# Altium PCB AAS_module_rev1_2.PcbDoc (part 2 of 2)
Units mm, origin at the board's own origin, x right, y up, seen from the top; angles counter-clockwise.
Board outline 73 x 73 mm, 2 copper layers (Component Side, Bottom Layer), stack 0.971 mm thick; 126 components, 108 nets, 483 pads, 376 vias.
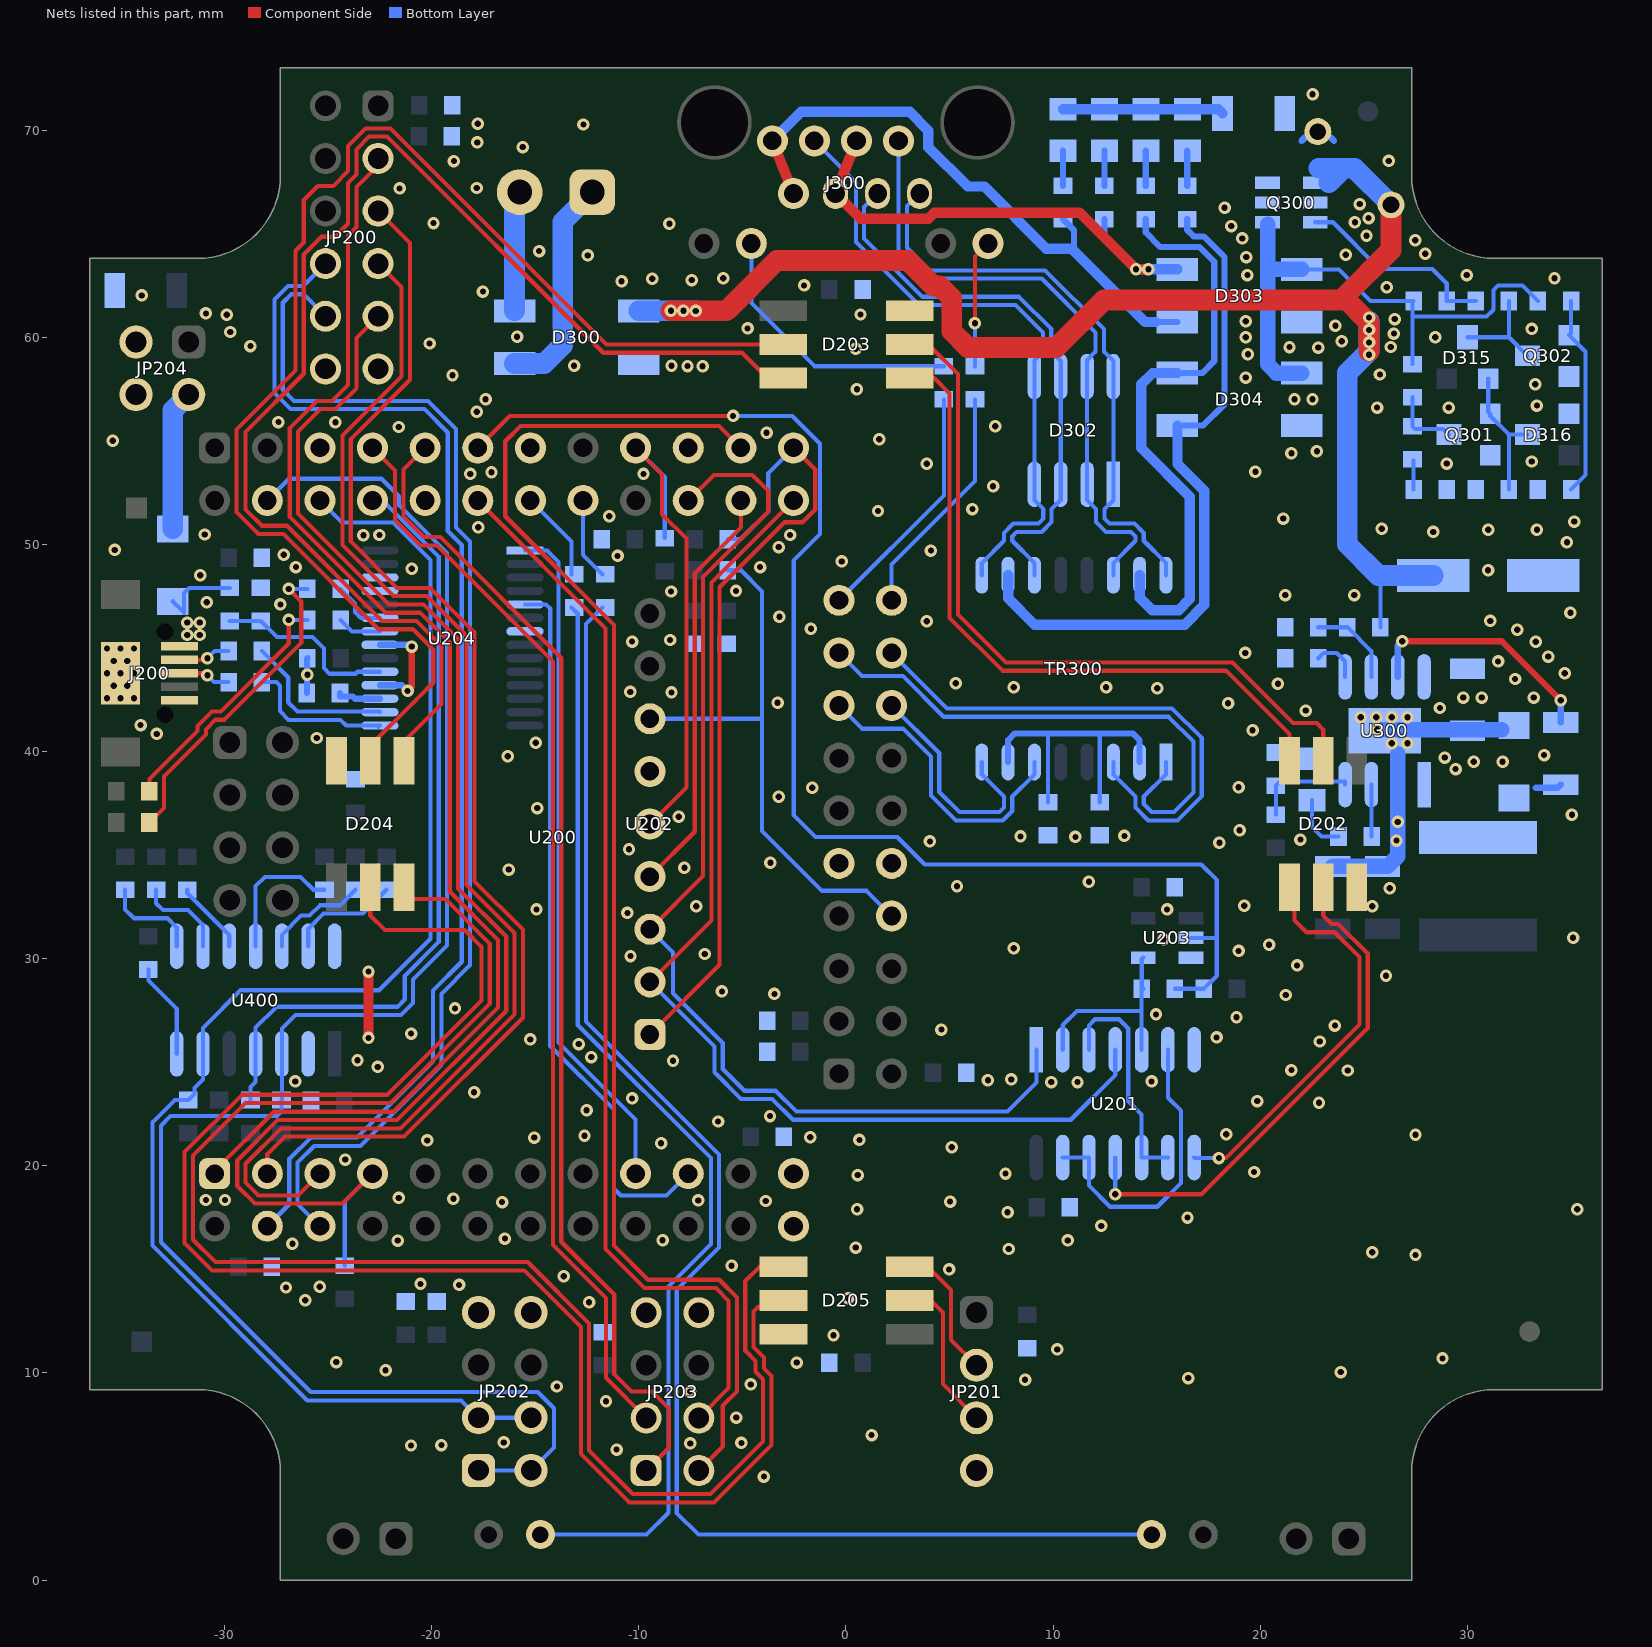
[diagram p2: the nets of this part, all layers, seen from the top]

## Via types
v1: diameter 0.6, hole 0.3, Component Side to Bottom Layer, tented both sides, 376 vias

## Nets (pads, with @x,y where several pads share a name; then routed paths per layer and width w, separated by ;. In a path a pad name is that pad's centre, name@x,y a point inside that pad or via, vN(x,y) a via of type N, cw(c..) or ccw(c..) an arc to the next point about the centre after c; other vN are vias at no path point) (continued)
GND: C200.2 C201.2 C202.2 C203.2 C204.2 C205.2 C206.2 C207.2 C208.2 C210.2 C211.2 C212.2 C213.2 C214.2 C216.1 C217.1 C300.2 C305.2 C307.2 C308.2 C311.2 C312.2 C313.2 C314.1 C315.2 C316.2 C317.2 C318.2 C319.2 C320.2 C322.1 C323.1 C400.2 D202.3 D203.3 D204.3 D205.3 D300.2 D303.2 D304.2 D306.A D316.1 J200.5 J200.SH@-35.025,43.775 JP200.11 JP200.12 JP201.4 JP202.7 JP202.8 JP203.7 JP203.8 JP204.2 JP204.4 Q301.2 Q302.2 R212.2 R306.1 R307.1 R308.1 R317.1 R318.1 R319.1 U200.6 U200.9 U200.14 U200.20 U200.47 U200.48 U200.59 U200.60 U201.7 U202.6 U203.3 U204.7 U204.18 U204.21 U204.25 U204.26 U300.0 U300.2 U400.2 U400.14 | length 26.6
  Component Side w0.3: D204.3@-24.59,38.65 D204.3@-24.59,38.887 ; v1(-21.161,42.925) -20.966,43.12 v1(-20.966,45.066)
  Component Side w0.5: v1(-23.05,26.175) v1(-23.05,29.375)
  Bottom Layer w0.3: C217.1@-26.025,42.825 -26.025,44.475 C216.1@-26,44.5 ; U204.18@-22.5,43.2 -21.436,43.2 v1(-21.161,42.925) ; U204.21@-22.5,45.15 -21.05,45.15 v1(-20.966,45.066) ; 21.989,69.471 22.443,69.925 C300.2@22.775,69.925 23.107,69.925 23.561,69.471
  Bottom Layer w0.75: C312.2@23.5,34.45 C313.2@25.9,34.45 26.144,34.45 26.635,34.941 U300.2@26.635,38.4 U300.0@26.635,39.9 ; v1(25.65,41.05) D306.A@31.65,41.05
  other v1: -3.963,5 -11.075,6.3 -21,6.5 -19.531,6.517 -7.516,6.6 -5.05,6.625 -16.525,6.65 1.235,7 -5.3,7.843 -11.585,8.632 -7.525,9.1 -13.953,9.348 -4.601,9.447 8.647,9.675 16.525,9.75 23.886,10.044 -22.226,10.131 -2.375,10.5 -24.609,10.525 28.795,10.7 10.2,11.136 -0.602,11.825 -12.4,13.414 -26.1,13.506 0.1,13.61 -27.034,14.125 -25.401,14.157 -18.675,14.25 -20.54,14.3 -13.621,14.668 4.975,15 -5.525,15.175 27.491,15.7 25.4,15.825 7.859,15.984 0.475,16.05 -26.721,16.234 -21.634,16.392 -8.856,16.409 10.7,16.399 -16.466,16.486 12.325,17.1 16.486,17.5 7.8,17.763 0.537,17.9 35.3,17.9 -16.6,18.25 5.025,18.275 -3.875,18.3 -7.136,18.331 -30.902,18.351 -29.976,18.351 -18.95,18.412 -21.594,18.45 0.564,19.55 7.7,19.625 19.7,19.7 -24.175,20.3 5.1,20.9 -8.925,21.085 -20.216,21.225 0.646,21.25 -15.05,21.364 -1.725,21.38 -12.625,21.45 27.491,21.5 18.36,21.526 -6.175,22.14 -3.669,22.4 -12.525,22.684 22.833,23.045 19.852,23.125 -10.325,23.252 -17.954,23.55 9.911,24.041 11.175,24.041 -26.588,24.075 14.75,24.075 6.85,24.135 7.975,24.172 24.219,24.6 21.5,24.62 -22.6,24.775 -8.35,25.075 -23.581,25.1 -12.3,25.25 -12.9,25.875 22.87,26 -15.242,26.1 17.892,26.2 -20.993,26.385 4.606,26.574 23.6,26.769 18.85,27.175 14.965,27.31 -18.875,27.6 21.225,28.244 -3.455,28.3 -5.992,28.416 26.067,29.175 21.775,29.675 -10.403,30.125 -6.823,30.225 18.95,30.375 8.1,30.506 20.425,30.675 15.325,30.941 35.1,31.011 -10.55,32.207 -14.939,32.375 15.5,32.378 -7.225,32.525 25.4,32.525 19.225,32.55 26.25,33.4 5.357,33.5 11.725,33.708 -16.275,34.3 -7.8,34.384 -3.65,34.625 -10.475,35.281 18.025,35.6 4.05,35.659 26.573,35.7 21.936,35.75 11.075,35.877 8.425,35.9 13.44,35.925 19,36.2 26.635,36.6 -8.075,36.85 35.042,36.95 -14.9,37.266 -3.241,37.818 -1.625,38.25 18.95,38.275 29.428,39.15 30.3,39.5 31.694,39.5 28.9,39.707 -16.325,39.775 33.7,39.825 26.35,40.4 27.1,40.4 -14.973,40.425 -25.55,40.65 -33.275,40.85 19.625,41.025 -34.05,41.275 24.85,41.65 25.6,41.65 26.35,41.65 27.1,41.65 22.194,41.975 28.669,42.1 18.442,42.33 -3.3,42.358 -35.675,42.575 -35.025,42.575 -34.375,42.575 29.8,42.6 30.694,42.6 33.2,42.6 -8.425,42.85 -10.418,42.875 15.025,43.05 8.1,43.103 12.556,43.1 -35.35,43.175 -34.7,43.175 20.85,43.275 5.3,43.29 32.3,43.5 -26,43.7 -35.675,43.775 -35.025,43.775 -34.375,43.775 34.7,43.775 31.476,44.348 -35.35,44.375 -34.7,44.375 33.9,44.58 19.275,44.76 -35.675,44.975 -35.025,44.975 -34.375,44.975 -10.325,45.306 33.3,45.3 -8.492,45.383 32.4,45.875 -1.691,45.925 3.9,46.29 31.1,46.306 -3.213,46.5 34.971,46.7 -27.302,47.1 -30.862,47.2 21.2,47.548 24.535,47.548 -8.442,47.725 -5.308,47.75 -31.172,48.51 30.994,48.75 -20.966,48.825 -26.552,48.9 -4.149,48.9 -0.2,49.177 -11.025,49.441 -27.143,49.5 4.1,49.7 -35.303,49.732 -3.241,49.867 34.8,50.1 -23.295,50.434 -22.525,50.45 -2.7,50.45 -30.954,50.475 28.35,50.6 31.003,50.7 33.35,50.7 25.86,50.75 -17.75,50.83 35.15,51.1 21.104,51.241 -11.428,51.354 1.544,51.609 6.1,51.7 7.1,52.806 -18.136,53.4 -9.776,53.4 -17.114,53.478 19.764,53.5 3.9,53.89 29,53.9 33.108,54 21.5,54.4 22.734,54.498 -35.4,55 1.6,55.071 -3.834,55.391 -21.594,55.664 7.2,55.7 -27.4,55.9 -24.646,55.889 -17.825,56.4 25.639,56.6 29.1,56.6 33.35,56.7 -17.4,56.999 21.65,56.999 22.52,57 0.525,57.484 33.275,57.725 19.3,58.049 -18.994,58.161 25.775,58.2 -6.923,58.594 -13.125,58.625 -8.425,58.625 -7.65,58.605 19.4,59.171 0.475,59.437 22.8,59.5 21.41,59.521 26.3,59.525 -28.75,59.57 -20.1,59.695 23.93,59.8 19.3,60 28.44,60 -15.875,60.025 26.45,60.175 -29.724,60.25 33.1,60.4 -4.75,60.425 23.625,60.556 19.3,60.771 26.49,60.875 -29.892,61.087 0.7,61.094 -30.897,61.15 -33.995,62.018 -17.527,62.2 26.1,62.411 -2.025,62.5 -10.833,62.7 -7.45,62.758 -9.35,62.825 -5.921,62.85 34.2,62.85 19.375,63 29.964,63 19.325,63.868 -12.47,63.946 24.125,63.975 27.967,64.028 -14.813,64.154 27.475,64.675 19.125,64.766 25.125,64.9 18.6,65.365 -8.525,65.475 -19.911,65.506 24.568,65.551 25.225,65.75 18.275,66.25 24.8,66.424 -21.55,67.183 -17.825,67.2 -18.925,68.5 26.2,68.508 -15.6,69.175 -17.8,69.4 -12.675,70.266 -17.775,70.3 22.525,71.725
I2C0_SCL: JP202.3 JP202.4 R205.1 U200.5 U400.6 | length 71.2
  Bottom Layer w0.2: U200.5@-25.395,52.115 -24.33,51.05 -21.866,51.05 -20.061,49.245 -20.061,30.962 -22.549,28.475 -29.225,28.475 -31.04,26.66 U400.6@-31.04,25.4 -31.04,24.16 -31.45,23.75 -31.45,23.475 R205.1@-31.75,23.175 -32.4,23.175 -33.475,22.1 -33.475,16.145 -26.005,8.675 -18.575,8.675 JP202.3@-17.74,7.84 JP202.4@-15.2,7.84
I2C0_SDA: JP202.1 JP202.2 R206.1 U200.3 U400.3 | length 84.1
  Bottom Layer w0.2: U200.3@-27.935,52.115 -26.885,53.165 -22.42,53.165 -21.575,52.32 -21.575,51.89 -19.261,49.576 -19.261,30.631 -20.9,28.992 -20.9,27.861 -21.486,27.275 -26.575,27.275 -27.23,26.62 U400.3@-27.23,25.4 -27.23,23.195 R206.1@-27.25,23.175 -27.25,22.61 -27.46,22.4 -32.609,22.4 -33.075,21.934 -33.075,16.31 -25.84,9.075 -14.879,9.075 -14.1,8.296 -14.1,6.4 JP202.2@-15.2,5.3 JP202.1@-17.74,5.3
L\E\D\_\C\S\: R207.1 U201.2 U201.5 U203.4 | length 9.8
  Bottom Layer w0.2: U201.2@10.46,25.6 10.46,26.785 11.15,27.475 14.27,27.475 ; U201.5@14.27,25.6 14.27,27.475 ; R207.1@14.275,28.55 14.275,29.975 U203.4@14.35,30.05 ; R207.1@14.35,28.55 14.27,28.47 14.27,27.475
LED1: R203.1 U200.15 | length 4
  Bottom Layer w0.2: U200.15@-12.695,52.115 -12.695,49.495 R203.1@-11.75,48.55
LED2: R202.1 U200.13 | length 4.4
  Bottom Layer w0.2: U200.13@-15.235,52.115 -13.25,50.13 R202.1@-13.25,48.55
LED_CLOCK: D202.2 U201.11 | length 26
  Component Side w0.2: v1(13,18.625) 17.15,18.625 25.185,26.66 25.185,30.242 23.752,31.675 23.45,31.675 23.035,32.09 D202.2@23.035,34.35
  Bottom Layer w0.2: v1(13,18.625) U201.11@13,20.4
LED_CS: R207.2 R216.1 U200.12 U203.2 | length 66.1
  Component Side w0.2: U200.12@-17.775,54.655 -16.23,56.2 v1(-5.45,56.2) v1@-5.425,56.2
  Bottom Layer w0.2: v1(-5.45,56.2) -2.595,56.2 -1.25,54.855 -1.25,50.5 -2.525,49.225 -2.525,36.925 -1.475,35.875 2.475,35.875 3.8,34.55 17.15,34.55 17.9,33.8 17.9,31 ; R207.2@15.875,28.55 R216.1@17.275,28.55 17.9,29.175 17.9,31 ; U203.2@16.65,31 17.9,31
LED_DATA: D202.1 U201.8 | length 20.3
  Component Side w0.2: v1(18,20.375) 18.334,20.375 24.785,26.826 24.785,30.077 23.586,31.275 22.225,31.275 21.648,31.852 21.648,32.3 21.41,32.538 D202.1@21.41,33.45 D202.1@21.41,33.95 ; D202.1@21.41,34.35 21.41,34.301 D202.1@21.585,34.125
  Bottom Layer w0.2: U201.8@16.81,20.4 16.835,20.375 v1(18,20.375)
LED_LINK: R313.2 U200.49 | length 11.8
  Bottom Layer w0.2: U200.49@-0.34,47.3 4.725,52.365 R313.2@4.725,57
LED_RX: R213.1 U204.22 | length 2.1
  Bottom Layer w0.2: R213.1@-24.4,46.35 -23.85,45.8 U204.22@-22.5,45.8
LED_SPEED: R314.2 U200.50 | length 11.4
  Bottom Layer w0.2: U200.50@2.2,47.3 2.2,49.025 6.225,53.05 R314.2@6.225,57
LED_TX: R200.1 U204.23 | length 2.7
  Bottom Layer w0.2: R200.1@-24.4,47.85 -23.7,47.15 -23.7,46.725 -23.425,46.45 U204.23@-22.5,46.45
NetC217_2: C217.2 U204.17 | length 2.1
  Bottom Layer w0.3: C217.2@-24.425,42.825 -24.425,42.65 -23.8,42.65 -23.7,42.55 U204.17@-22.5,42.55
NetC301_2: C301.2 R300.2 | length 1.7
  Bottom Layer w0.3: C301.2@16.475,67.3 R300.2@16.475,69
NetC302_2: C302.2 R301.2 | length 1.7
  Bottom Layer w0.3: C302.2@14.475,67.3 R301.2@14.475,69
NetC303_2: C303.2 R302.2 | length 1.7
  Bottom Layer w0.3: C303.2@10.475,67.3 R302.2@10.475,69
NetC304_2: C304.2 R303.2 | length 1.7
  Bottom Layer w0.3: C304.2@12.475,67.3 R303.2@12.475,69
NetC305_1: C305.1 R300.1 R301.1 R302.1 R303.1 | length 7.8
  Bottom Layer w0.5: R302.1@10.475,71 R303.1@12.475,71 R300.1@16.475,71 17.975,71 C305.1@18.175,70.8
NetC306_1: C306.1 U300.7 | length 11.7
  Component Side w0.3: v1(26.85,45.325) 31.65,45.325 v1(34.5,42.475)
  Bottom Layer w0.3: U300.7@26.635,43.6 26.635,45.11 v1(26.85,45.325) ; C306.1@34.5,41.4 v1(34.5,42.475)
NetC306_2: C306.2 D306.K L300.1 U300.1 | length 1.3
  Bottom Layer w0.3: 33.3,38.25 34.35,38.25 C306.2@34.5,38.4
NetC314_2: C314.2 R309.1 | length 2.8
  Bottom Layer w0.2: C314.2@22.5,37.65 22.5,36.35 22.95,35.9 R309.1@23.775,35.9
NetC322_2: C322.2 C323.2 TR300.2 TR300.7 | length 15.3
  Bottom Layer w0.2: C322.2@9.75,37.55 9.75,40.85 ; C323.2@12.25,37.55 12.25,40.85
  Bottom Layer w0.3: TR300.7@7.825,39.49 7.825,40.55 8.15,40.875 13.85,40.875 14.175,40.55 TR300.2@14.175,39.49
NetD200_K: D200.K R202.2 | length 53.9
  Bottom Layer w0.2: D200.K@-14.75,2.2 -9.625,2.2 -8.573,3.252 -8.573,14.168 -6.525,16.216 -6.525,20.377 -12.95,26.802 -12.95,46.65 R202.2@-13.25,46.95
NetD201_K: D201.K R203.2 | length 70.9
  Bottom Layer w0.2: R203.2@-11.75,46.95 -12.55,46.15 -12.55,26.968 -6.125,20.543 -6.125,16.05 -8.173,14.002 -8.173,3.246 -7.127,2.2 D201.K@14.75,2.2
NetD202_5: D202.5 D203.2 | length 37.8
  Component Side w0.2: D203.2@2.175,59.65 3.969,59.65 5.4,58.219 5.4,46.616 7.716,44.3 18.65,44.3 21.575,41.375 22.725,41.375 23.035,41.065 D202.5@23.035,39.55 D202.5@23.035,38.65
NetD202_6: D202.6 D203.1 | length 34.9
  Component Side w0.2: D203.1@2.175,58.025 D203.1@3.075,58.025 4.259,58.025 5,57.284 5,46.45 7.55,43.9 18.35,43.9 21.41,40.84 D202.6@21.41,38.65
NetD203_5: D203.5 D204.2 | length 66.7
  Component Side w0.2: D204.2@-22.965,38.65 -22.965,40.28 -20.92,42.325 -20.913,42.325 -20.561,42.676 -20.561,42.684 -19.925,43.32 -19.925,44.925 -20.9,45.9 -22.563,45.9 -27.163,50.5 -28.371,50.5 -29.425,51.554 -29.425,55.55 -26.575,58.4 -26.575,64.172 -26.175,64.572 -26.175,66.625 -25.5,67.3 -24.75,67.3 -24.035,68.015 -24.035,69.231 -23.186,70.08 -21.984,70.08 -11.554,59.65 D203.5@-3.025,59.65 D203.5@-2.125,59.65
NetD203_6: D203.6 D204.1 | length 66
  Component Side w0.2: D204.1@-21.34,38.65 D204.1@-21.34,39.55 -21.34,40.485 -19.525,42.3 -19.525,45.091 -20.734,46.3 -22.398,46.3 -26.998,50.9 -28.205,50.9 -28.985,51.68 -28.985,55.424 -26.175,58.234 -26.175,64 -25.325,64.85 -24.66,64.85 -24.035,65.475 -24.035,67.449 -23.635,67.849 -23.635,69.065 -23.02,69.68 -22.15,69.68 -11.72,59.25 -5.025,59.25 -3.8,58.025 D203.6@-2.125,58.025
NetD204_5: D204.5 D205.2 | length 80.2
  Component Side w0.2: D204.5@-22.965,34.35 D204.5@-22.965,33.45 -22.965,32.09 -22.25,31.375 -18.403,31.375 -17.6,30.572 -17.6,27.976 -22.149,23.428 -29.162,23.428 -31.925,20.665 -31.925,16.265 -30.61,14.95 -15.529,14.95 -12.8,12.221 -12.8,6.089 -10.461,3.75 -6.375,3.75 -3.601,6.524 -3.601,9.862 -3.965,10.226 -3.965,10.751 -4.465,11.251 -4.465,12.96 -4.213,13.212 -3.363,13.212 -3.075,13.5 D205.2@-2.115,13.5
NetD204_6: D204.6 D205.1 | length 79
  Component Side w0.2: D204.6@-21.34,34.35 -21.34,33.315 -20.899,32.874 -19.337,32.874 -17.2,30.737 -17.2,27.811 -21.983,23.028 -28.996,23.028 -31.525,20.499 -31.525,16.43 -30.445,15.35 -15.364,15.35 -12.4,12.386 -12.4,6.255 -10.295,4.15 -6.541,4.15 -4.001,6.69 -4.001,9.696 -4.365,10.06 -4.365,10.585 -4.865,11.085 -4.865,14.435 -4.175,15.125 D205.1@-3.015,15.125 D205.1@-2.115,15.125
NetD206_K: D206.K R200.2 | length 15.7
  Component Side w0.2: D206.K@-33.625,36.575 -32.925,37.275 -32.925,38.802 -30.9,40.827 -30.9,41.07 -30.435,41.535 -30.01,41.535 -26.3,45.245 -26.3,47.25 v1(-26.9,47.85)
  Bottom Layer w0.2: v1(-26.9,47.85) R200.2@-26,47.85
NetD207_K: D207.K R213.2 | length 12.2
  Component Side w0.2: D207.K@-33.625,38.075 -33.625,38.668 -31.3,40.993 -31.3,41.236 -30.601,41.935 -30.175,41.935 -26.9,45.21 v1(-26.9,46.35)
  Bottom Layer w0.2: v1(-26.9,46.35) R213.2@-26,46.35
NetD208_A: D208.A J200.1 R211.1 | length 4
  Bottom Layer w0.2: D208.A@-32.5,47.25 -31.95,46.7 -31.95,47.654 -31.704,47.9 R211.1@-29.75,47.9
  other v1: -31.8,45.625 -31.2,45.625 -31.8,46.225 -31.2,46.225
NetD208_K: D208.K JP204.3 | length 6.8
  Bottom Layer w1: D208.K@-32.5,50.75 -32.5,56.46 JP204.3@-31.73,57.23
NetD300_3: D300.3 J301.1 | length 10.7
  Bottom Layer w1: D300.3@-16,58.73 -14.565,58.73 -13.675,59.62 -13.675,65.575 J301.1@-12.25,67
NetD300_4: D300.4 J301.2 | length 5.8
  Bottom Layer w1: D300.4@-16,61.27 -16,66.75 J301.2@-15.75,67
NetD315_A: D315.1 D316.3 Q301.1 R318.2 | length 6.7
  Bottom Layer w0.2: D315.1@31,58 31,56.4 Q301.1@31.1,56.3 31.1,56.2 32,55.3 ; R318.2@32,52.65 32,55.3 ; D316.3@32.9,55.3 32,55.3
NetD315_K: D315.3 Q302.3 R312.1 | length 5
  Bottom Layer w0.2: D315.3@30,60 31.998,60 32,59.998 ; R312.1@32,61.748 32,59.998 ; Q302.3@32.9,59.098 32,59.998
NetJ200_2: J200.2 R201.1 | length 2.6
  Component Side w0.2: J200.2@-32.175,44.425 -30.9,44.425 v1(-30.825,44.5)
  Bottom Layer w0.2: v1(-30.825,44.5) -30.475,44.85 R201.1@-29.8,44.85
NetJ200_3: J200.3 R210.1 | length 2.6
  Component Side w0.2: J200.3@-32.175,43.775 -30.924,43.775 v1(-30.827,43.677)
  Bottom Layer w0.2: v1(-30.827,43.677) -30.499,43.35 R210.1@-29.8,43.35
NetJ300_9: J300.9 R314.1 | length 6.2
  Component Side w0.2: v1(6.225,60.675) 6.225,63.89 J300.9@6.86,64.525
  Bottom Layer w0.2: R314.1@6.225,58.6 v1(6.225,60.675)
NetJ300_11: J300.11 R313.1 | length 13.4
  Bottom Layer w0.2: J300.11@-4.57,64.525 -4.57,61.645 -1.525,58.6 R313.1@4.725,58.6
NetQ300_3: Q300.3 R310.1 R312.2 | length 9.8
  Bottom Layer w0.2: Q300.3@22.65,65.55 23.5,65.55 25.75,63.3 28.3,63.3 29,62.6 R310.1@29,61.748 R312.2@30.4,61.748
NetQ301_D: Q301.3 R315.1 R316.2 | length 3.3
  Bottom Layer w0.2: R315.1@27.35,57.098 R316.2@27.35,55.698 27.475,55.573 28.827,55.573 Q301.3@29.1,55.3
NetQ302_B: Q302.1 R311.1 R319.2 | length 9.8
  Bottom Layer w0.2: R319.2@35,52.65 35.7,53.35 35.7,54.949 35.7,59.298 Q302.1@34.9,60.098 35,60.198 R311.1@35,61.748
NetR201_2: R201.2 U204.16 | length 7.6
  Bottom Layer w0.2: R201.2@-28.2,44.85 -26.925,43.575 -26.925,42.375 -26.475,41.925 -22.525,41.925 U204.16@-22.5,41.9
NetR210_2: R210.2 U204.15 | length 7.4
  Bottom Layer w0.2: R210.2@-28.2,43.35 -27.5,43.35 -27.325,43.175 -27.325,41.946 -26.904,41.525 -24.4,41.525 -24.125,41.25 U204.15@-22.5,41.25 U204.15@-22.575,41.175
NetR211_2: R211.2 R212.1 U204.19 | length 8.9
  Bottom Layer w0.2: R211.2@-29.75,46.3 R212.1@-28.25,46.3 -27.475,45.525 -25.751,45.525 -25.2,44.974 -25.2,44.026 -24.924,43.75 -23.675,43.75 -23.575,43.85 U204.19@-22.5,43.85
NetR304_1: R304.1 R307.2 U300.6 | length 4.3
  Bottom Layer w0.2: R307.2@22.8,46 R304.1@24.2,46 24.202,46 25.365,44.837 U300.6@25.365,43.6
NetR305_1: R305.1 R308.2 U300.4 | length 5
  Bottom Layer w0.2: R305.1@20.75,36.95 R308.2@20.75,38.35 20.95,38.55 24.095,38.55 U300.4@24.095,38.4
NetR306_2: R306.2 U300.5 | length 2.3
  Bottom Layer w0.2: R306.2@22.8,44.5 23.06,44.76 23.69,44.76 24.095,44.355 U300.5@24.095,43.6
NetR309_2: R309.2 U300.3 | length 2.5
  Bottom Layer w0.2: U300.3@25.365,38.4 25.375,38.39 R309.2@25.375,35.9
NetR316_1: R316.1 R317.2 | length 1.4
  Bottom Layer w0.2: R317.2@27.4,52.648 R316.1@27.4,54.048
NetR404_1: R404.1 U400.7 | length 4.6
  Bottom Layer w0.2: R404.1@-33.675,29.475 -33.675,28.95 -32.31,27.585 U400.7@-32.31,25.4
NetR405_1: R405.1 U400.8 | length 4.7
  Bottom Layer w0.2: R405.1@-34.8,33.325 -34.8,32.375 -34.375,31.95 -32.75,31.95 -32.31,31.51 U400.8@-32.31,30.6
NetR406_1: R406.1 U400.9 | length 4.4
  Bottom Layer w0.2: R406.1@-33.3,33.325 -33.3,32.675 -32.975,32.35 -31.765,32.35 -31.04,31.625 U400.9@-31.04,30.6
NetR407_1: R407.1 U400.10 | length 3.6
  Bottom Layer w0.2: R407.1@-31.8,33.325 -31.8,33.161 -29.77,31.131 U400.10@-29.77,30.6
NetR408_1: R408.1 U400.11 | length 6.7
  Bottom Layer w0.2: U400.11@-28.5,30.6 -28.5,33.5 -28.05,33.95 -26.325,33.95 -25.7,33.325 R408.1@-25.175,33.325
NetR409_1: R409.1 U400.12 | length 5
  Bottom Layer w0.2: U400.12@-27.23,30.6 -27.23,31.145 -26.3,32.075 -25.891,32.075 -25.391,32.575 -24.425,32.575 R409.1@-23.675,33.325
NetR410_1: R410.1 U400.13 | length 5.4
  Bottom Layer w0.2: U400.13@-25.96,30.6 -25.96,31.44 -25.225,32.175 -23.325,32.175 R410.1@-22.175,33.325
NetU201_3: U201.3 U201.9 U201.10 | length 11.2
  Bottom Layer w0.2: U201.3@11.73,25.6 11.73,26.78 12.025,27.075 13.184,27.075 13.625,26.634 13.625,23.125 14.27,22.48 U201.10@14.27,20.4 U201.9@15.54,20.4
NetU201_6: U201.6 U201.12 U201.13 | length 14.6
  Bottom Layer w0.2: U201.13@10.46,20.4 U201.12@11.73,20.4 11.73,19.046 12.751,18.025 15.025,18.025 16.165,19.165 16.165,22.66 15.54,23.285 U201.6@15.54,25.6
O_LED_CLOCK: D205.5 JP201.3 | length 8.5
  Component Side w0.2: D205.5@2.185,13.5 D205.5@3.085,13.5 4.1,13.5 4.675,12.925 4.675,9.46 JP201.3@6.3,7.835
O_LED_DATA: D205.6 JP201.2 | length 7.5
  Component Side w0.2: D205.6@2.185,15.125 3.95,15.125 5.075,14 5.075,11.6 JP201.2@6.3,10.375
"PAIR 1-2": C302.1 D304.4 TR300.15 | length 28.6
  Bottom Layer w0.3: C302.1@14.475,65.7 14.475,65.055 15.179,64.35 17.068,64.35 17.775,63.643 17.775,58.85 17.195,58.27 D304.4@16,58.27
  Bottom Layer w0.5: TR300.15@14.175,48.51 14.175,47.425 14.775,46.825 16.06,46.825 16.6,47.365 16.6,52.3 14.25,54.65 14.25,57.725 14.795,58.27 D304.4@16,58.27
"PAIR 3-6": C301.1 D304.3 TR300.10 | length 33.4
  Bottom Layer w0.3: D304.3@16,55.73 17.23,55.73 18.275,56.775 18.275,63.85 17.263,64.862 16.788,64.862 16.475,65.175 C301.1@16.475,65.7
  Bottom Layer w0.5: TR300.10@7.825,48.51 7.825,47.4 9.1,46.125 16.35,46.125 17.3,47.075 17.3,52.59 16,53.89 D304.3@16,55.73
"PAIR 4-5": C304.1 D303.4 J300.4 J300.5 | length 24.6
  Component Side w0.5: J300.4@0.505,69.475 J300.5@-0.505,66.935 0.705,65.725 3.98,65.725 4.255,66 11.275,66 v1(14,63.275) v1(14.6,63.275)
  Bottom Layer w0.3: C304.1@12.475,65.7 12.475,64.8 13,64.275 v1(14,63.275)
  Bottom Layer w0.5: v1(14,63.275) v1(14.6,63.275) 15.995,63.275 D303.4@16,63.27
"PAIR 7-8": C303.1 D303.3 J300.7 J300.8 | length 29.3
  Component Side w0.5: J300.8@-3.555,69.475 J300.7@-2.535,66.935
  Bottom Layer w0.3: C303.1@10.475,65.7 11,65.175 11,64.175 ; 14.945,60.73 D303.3@16,60.73
  Bottom Layer w0.5: J300.8@-3.555,69.475 -2.155,70.875 3.075,70.875 3.975,69.975 3.975,69.175 5.875,67.275 6.675,67.275 9.675,64.275 10.9,64.275 11,64.175 14.445,60.73 14.945,60.73
PoE_Vin: D303.1 D304.1 Q300.4 R310.2 R311.2 R315.2 | length 26.9
  Bottom Layer w0.2: D303.1@22,63.27 23.805,63.27 25.327,61.748 R310.2@27.4,61.748 27.35,61.698 27.35,60.998 ; R315.2@27.35,58.698 27.35,60.998 ; R311.2@33.4,61.748 32.65,62.498 31.476,62.498 31.25,62.272 31.25,61.324 30.924,60.998 27.35,60.998
  Bottom Layer w0.75: Q300.4@20.35,65.45 20.35,63.27 ; D304.1@22,58.27 20.78,58.27 20.35,58.7 20.35,63.27 ; D303.1@22,63.27 20.35,63.27
R\e\a\d\e\r\_\R\S\T\: R204.1 U200.62 U202.7 | length 27
  Bottom Layer w0.2: U202.7@-9.465,41.58 -4.05,41.58 ; R204.1@-5.7,48.75 -5.075,48.75 -4.05,47.725 -4.05,41.58 ; U200.62@2.2,32.06 0.985,33.275 -1.16,33.275 -4.05,36.165 -4.05,41.58
R\E\S\E\T\: R208.1 U200.7 U400.4 | length 37.7
  Bottom Layer w0.2: R208.1@-28.75,23.175 -28.75,23.8 -28.5,24.05 U400.4@-28.5,25.4 -28.5,26.675 -27.5,27.675 -21.651,27.675 -21.3,28.026 -21.3,29.158 -19.661,30.797 -19.661,49.411 -22.366,52.115 U200.7@-22.855,52.115
"Reader IOR": R217.1 U200.18 U202.5 | length 24.8
  Component Side w0.2: U200.18@-10.155,54.655 -8.875,53.375 -8.875,51.45 -7.7,50.275 -7.7,38.265 U202.5@-9.465,36.5
  Bottom Layer w0.2: U200.18@-10.155,54.655 -8.75,53.25 R217.1@-8.75,50.3
RX_N: TR300.8 U200.54 | length 11.6
  Bottom Layer w0.2: U200.54@2.034,42.054 U200.54@2.2,42.22 4.5,39.92 4.5,38.05 5.475,37.075 7.4,37.075 7.625,37.3 7.625,37.825 6.555,38.895 TR300.8@6.555,39.49
RX_P: TR300.6 U200.53 | length 14.7
  Bottom Layer w0.2: U200.53@-0.34,42.22 0.78,41.1 2.754,41.1 4.1,39.754 4.1,37.884 5.309,36.675 7.566,36.675 8.025,37.134 8.025,37.825 9.095,38.895 TR300.6@9.095,39.49
RXin_N: D302.4 D302.5 J300.6 TR300.9 | length 30.6
  Bottom Layer w0.2: J300.6@-1.525,69.475 0.475,67.475 0.475,64.6 3.525,61.55 8.185,61.55 9.51,60.225 9.51,59.3 9.095,58.885 D302.5@9.095,58.1 D302.4@9.095,52.9 9.095,52.13 9.525,51.7 9.525,51.241 9.284,51 8.075,51 7.625,50.55 7.625,50.175 6.555,49.105 TR300.9@6.555,48.51
RXin_P: D302.3 D302.6 J300.3 TR300.11 | length 27.5
  Bottom Layer w0.2: J300.3@1.525,66.935 0.875,66.285 0.875,64.766 3.691,61.95 8.351,61.95 9.91,60.391 9.91,59.3 10.365,58.845 D302.6@10.365,58.1 D302.3@10.365,52.9 10.365,52.14 9.925,51.7 9.925,51.075 9.45,50.6 8.241,50.6 8.025,50.384 8.025,50.175 9.095,49.105 TR300.11@9.095,48.51
SPI0_CLK: U200.23 U201.4 U202.2 | length 54.2
  Component Side w0.2: U202.2@-9.465,28.88 -6.5,31.845 -6.5,48.15 U200.23@-2.535,52.115
  Bottom Layer w0.2: U202.2@-9.465,28.88 -6.35,25.765 -6.35,24.515 -5.06,23.225 -3.562,23.225 -2.562,22.225 10.85,22.225 13,24.375 U201.4@13,25.6
SPI0_CS: R215.1 U200.24 U202.1 | length 38.6
  Component Side w0.2: U202.1@-9.465,26.34 -6.1,29.705 -6.1,47.928 -2.963,51.065 -2.1,51.065 -1.485,51.68 -1.485,53.605 U200.24@-2.535,54.655
  Bottom Layer w0.2: R215.1@-5.7,50.25 -5.081,50.25 -3.75,51.581 -3.75,53.44 U200.24@-2.535,54.655
SPI0_MISO: U200.21 U202.4 | length 20
  Component Side w0.2: U202.4@-9.465,33.96 -7.3,36.125 -7.3,48.597 -5.075,50.822 U200.21@-5.075,52.115
SPI0_MOSI: U200.19 U201.1 U202.3 | length 54.6
  Component Side w0.2: U202.3@-9.465,31.42 -6.9,33.985 -6.9,48.431 -3.75,51.581 -3.75,52.575 -4.525,53.35 -6.38,53.35 U200.19@-7.615,52.115
  Bottom Layer w0.2: U202.3@-9.465,31.42 -8.35,30.305 -8.35,28.331 -5.95,25.931 -5.95,24.68 -4.895,23.625 -3.397,23.625 -2.397,22.625 7.8,22.625 9.19,24.015 U201.1@9.19,25.6
SPI1_CLK: JP200.7 U200.30 | length 63.4
  Component Side w0.2: U200.30@-25.395,19.625 -26.445,18.575 -28.37,18.575 -28.985,19.19 -28.985,20.099 -27.275,21.809 -21.505,21.809 -16,27.314 -16,31.234 -18.325,33.559 -18.325,45.588 -20.237,47.5 -21.837,47.5 -24.305,49.968 -24.305,55.256 -21.45,58.111 -21.45,62.415 JP200.7@-22.585,63.55
SPI1_CS: JP200.9 R214.1 U200.32 | length 70.4
  Component Side w0.2: U200.32@-22.855,19.625 -24.305,18.175 -28.536,18.175 -29.385,19.024 -29.385,20.265 -27.441,22.209 -21.67,22.209 -16.4,27.479 -16.4,31.069 -18.725,33.394 -18.725,45.422 -20.403,47.1 -22.066,47.1 -26.45,51.484 -26.45,55.45 -25.375,56.525 -24.639,56.525 -23.635,57.529 -23.635,59.96 JP200.9@-22.585,61.01
  Bottom Layer w0.2: R214.1@-24.2,15.175 -24.2,18.28 U200.32@-22.855,19.625
SPI1_MISO: JP200.5 U200.28 | length 61.1
  Component Side w0.2: U200.28@-27.935,19.625 -27.935,20.565 -27.091,21.409 -21.339,21.409 -15.6,27.148 -15.6,31.4 -17.925,33.725 -17.925,45.753 -20.072,47.9 -21.672,47.9 -23.905,50.133 -23.905,55.09 -21.05,57.945 -21.05,64.555 JP200.5@-22.585,66.09
SPI1_MOSI: JP200.3 U200.26 | length 65.4
  Component Side w0.2: U200.26@-30.475,19.625 -30.475,19.741 -27.606,22.609 -21.836,22.609 -16.8,27.645 -16.8,30.903 -19.125,33.228 -19.125,45.256 -20.569,46.7 -22.232,46.7 -26.85,51.318 -26.85,55.616 -25.541,56.925 -24.805,56.925 -24.035,57.695 -24.035,64.909 -23.635,65.309 -23.635,67.24 -22.585,68.29 JP200.3@-22.585,68.63
TX_N: TR300.3 U200.52 | length 26.1
  Bottom Layer w0.2: U200.52@2.2,44.76 4.885,42.075 15.743,42.075 17.175,40.643 17.175,37.85 16,36.675 14.592,36.675 13.975,37.292 13.975,37.825 12.905,38.895 TR300.3@12.905,39.49
TX_P: TR300.1 U200.51 | length 26.8
  Bottom Layer w0.2: U200.51@-0.34,44.76 0.77,43.65 2.744,43.65 4.719,41.675 15.577,41.675 16.775,40.477 16.775,38.016 15.834,37.075 14.758,37.075 14.375,37.458 14.375,37.825 15.445,38.895 TR300.1@15.445,39.49
TXin_N: D302.2 D302.7 J300.2 TR300.14 | length 30.5
  Bottom Layer w0.2: J300.2@2.535,69.475 2.535,64.165 3.875,62.825 9.45,62.825 12.05,60.225 12.05,59.3 11.635,58.885 D302.7@11.635,58.1 D302.2@11.635,52.9 11.635,52.14 12.075,51.7 12.075,51.075 12.55,50.6 13.759,50.6 13.975,50.384 13.975,50.175 12.905,49.105 TR300.14@12.905,48.51
TXin_P: D302.1 D302.8 J300.1 TR300.16 | length 28.2
  Bottom Layer w0.2: J300.1@3.555,66.935 2.95,66.33 2.95,64.316 4.041,63.225 9.616,63.225 12.45,60.391 12.45,59.3 12.905,58.845 D302.8@12.905,58.1 D302.1@12.905,52.9 12.905,52.13 12.475,51.7 12.475,51.241 12.716,51 13.925,51 14.375,50.55 14.375,50.175 15.445,49.105 TR300.16@15.445,48.51
UART0_RX: U200.42 U204.1 | length 32.9
  Bottom Layer w0.2: U204.1@-15.5,49.7 -14.425,49.7 -13.875,49.15 -13.875,25.95 -10.155,22.23 U200.42@-10.155,19.625
UART0_TX: U200.44 U204.5 | length 34.7
  Bottom Layer w0.2: U204.5@-15.5,47.1 -14.475,47.1 -14.275,46.9 -14.275,25.784 -11.205,22.714 -11.205,18.905 -10.875,18.575 -8.665,18.575 U200.44@-7.615,19.625
UART1_RX: JP203.1 U200.10 | length 56.6
  Component Side w0.2: U200.10@-20.315,54.655 -21.365,53.605 -21.365,51.34 -20.375,50.35 -19.584,50.35 -13.745,44.511 -13.745,16.336 -11.185,13.775 -11.185,9.935 -10.349,9.1 -9.359,9.1 -8.545,8.286 -8.545,6.39 JP203.1@-9.645,5.29
UART1_TX: JP203.3 U200.8 | length 52.9
  Component Side w0.2: U200.8@-22.675,54.475 -22.855,54.295 -22.495,54.295 -21.765,53.565 -21.765,51.174 -20.541,49.95 -19.75,49.95 -14.145,44.345 -14.145,16.17 -11.585,13.61 -11.585,9.77 JP203.3@-9.645,7.83
UART2_RX: JP203.2 U200.22 | length 69.2
  Component Side w0.2: JP203.2@-7.105,5.29 -5.95,6.445 -5.95,8.419 -5.265,9.104 -5.265,13.648 -6.117,14.5 -9.559,14.5 -11.205,16.146 -11.205,46.111 -16.45,51.356 -16.45,54.975 -15.72,55.705 -6.125,55.705 U200.22@-5.075,54.655
UART2_TX: JP203.4 U200.11 | length 51.9
  Component Side w0.2: U200.11@-17.775,52.115 -11.605,45.945 -11.605,15.98 -9.725,14.1 -6.283,14.1 -5.665,13.482 -5.665,9.27 JP203.4@-7.105,7.83
USB-DM1: JP200.10 U200.29 | length 60
  Bottom Layer w0.2: U200.29@-25.395,17.085 -26.475,18.165 -26.475,20.159 -25.67,20.964 -23.445,20.964 -19.531,24.878 -19.531,28.303 -18.15,29.684 -18.15,50.141 -18.825,50.816 -18.825,55.566 -20.184,56.925 -26.65,56.925 -27.189,57.464 -27.189,61.661 -26.775,62.075 -26.19,62.075 JP200.10@-25.125,61.01
USB-DP1: JP200.8 U200.27 | length 60.6
  Bottom Layer w0.2: U200.27@-27.935,17.085 -26.875,18.145 -26.875,20.325 -25.836,21.364 -23.611,21.364 -19.931,25.044 -19.931,28.469 -18.55,29.85 -18.55,49.975 -19.225,50.65 -19.225,55.4 -20.35,56.525 -26.816,56.525 -27.589,57.299 -27.589,61.826 -26.941,62.475 -26.2,62.475 JP200.8@-25.125,63.55
Vin: C300.1 C307.1 C308.1 D300.1 Q300.1 Q300.2 Q300.5 Q300.6 R304.2 U300.8 | length 72
  Component Side w1: v1@-8.445,61.27 v1(-7.255,61.27) -5.774,61.27 -3.344,63.7 3,63.7 4.225,62.475 4.515,62.475 5.1,61.89 5.1,60.283 5.883,59.5 10.15,59.5 12.45,61.8 24.025,61.8 ; v1@25.25,59.325 v1(25.25,59.75) v1(25.25,60.35) 25.25,60.7 24.025,61.925 26.311,64.211 C300.1@26.311,66.389
  Bottom Layer w0.2: R304.2@25.8,46 25.8,48.475
  Bottom Layer w1: D300.1@-10,61.27 v1(-7.255,61.27) ; 22.825,68.15 24,68.15 ; 23.3,67.45 24,68.15 ; v1@25.25,60.775 v1(25.25,60.35) v1(25.25,59.75) 25.25,59.325 24.2,58.275 24.2,50 25.7,48.5 C307.1@28.35,48.5 ; C300.1@26.311,66.389 24.55,68.15 24,68.15
  other v1: 25.25,59.15 25.25,60.95 -8.45,61.275 -7.85,61.275
pads on no net: D315.2 D316.2 FID100.0 FID101.0 FID102.0 FID103.0 J200.0 J200.4 J200.SH@-35.025,39.975 J200.SH@-35.025,47.575 J300.SH JP200.4 JP200.6 JP400_1.8 TR300.4 TR300.5 TR300.12 TR300.13 U200.31 U200.33 U200.34 U200.35 U200.36 U200.37 U200.38 U200.39 U200.40 U200.41 U200.43 U200.45 U200.55 U200.56 U200.57 U200.58 U200.61 U200.63 U200.64 U200.66 U202.8 U203.1 U204.2 U204.3 U204.6 U204.8 U204.9 U204.10 U204.11 U204.12 U204.13 U204.14 U204.24 U204.27 U204.28
copper on no net: | length 11.6
  Component Side w0.254: 11.5,13.644 cw(c12.65,12.569) 13.725,13.719 ; 11.829,13.212 cw(c12.65,11.869) 13.456,13.221 ; 12.135,12.78 cw(c12.647,11.292) 13.145,12.785 ; 12.822,12.167 ccw(c12.732,12.144) 12.825,12.144
  Bottom Layer w0.254: 23.564,7.287 cw(c24.714,6.212) 25.789,7.362 ; 23.893,6.855 cw(c24.714,5.512) 25.521,6.863 ; 24.199,6.423 cw(c24.712,4.934) 25.209,6.428 ; 24.887,5.809 ccw(c24.796,5.787) 24.889,5.787
  other v1: -35.625,39.65 -34.425,39.65 -35.025,39.975 -35.625,40.3 -34.425,40.3 -35.625,47.25 -34.425,47.25 -35.025,47.575 -35.625,47.9 -34.425,47.9

## Polygon pours and split planes (outlines as drawn)
GND on Component Side "GND_L01_P034" (solid, remove dead copper, pour order 34): -36.5,0 -36.5,73 36.5,73 36.5,0
G on Component Side "G_L01_P030" (hatched 45Degree grid 0.4 track 0.2, remove dead copper, pour order 30): 27.3,0 -36.5,0 -36.5,35.475 -32.725,35.475 -32.725,38.25 -30.35,40.625 -26.3,40.625 -24.825,39.15 -19.8,39.15 -19.8,32.175 -32.025,19.95 -32.025,16.325 -19.95,4.25 27.3,4.25
GND on Bottom Layer "GND_L02_P032" (solid, remove dead copper, pour order 32): -36.5,0 -36.5,73 36.5,73 36.5,0

## Other copper
Component Side:
  pour cut-out: -36.5,8.7 -31.3,8.7 cw(c-31.3,5.2) -27.8,5.2 -27.8,0 ccw(c-27.3,0) -27.3,-0.5 -13.65,-0.5 -13.65,0.5 -26.8,0.5 -26.8,5.2 ccw(c-31.301,5.199) -31.298,9.7 -36,9.7 -36,63.3 -31.3,63.3 ccw(c-31.301,67.801) -26.8,67.798 -26.8,72.5 26.8,72.5 26.8,67.8 ccw(c31.301,67.801) 31.298,63.3 36,63.3 36,9.7 31.3,9.7 ccw(c31.301,5.199) 26.8,5.202 26.8,0.5 -13.813,0.5 -13.813,-0.5 27.3,-0.5 ccw(c27.3,0) 27.8,0 27.8,5.2 cw(c31.3,5.2) 31.3,8.7 36.5,8.7 ccw(c36.5,9.2) 37,9.2 37,63.8 ccw(c36.5,63.8) 36.5,64.3 31.3,64.3 cw(c31.3,67.8) 27.8,67.8 27.8,73 ccw(c27.3,73) 27.3,73.5 -27.3,73.5 ccw(c-27.3,73) -27.8,73 -27.8,67.8 cw(c-31.3,67.8) -31.3,64.3 -36.5,64.3 ccw(c-36.5,63.8) -37,63.8 -37,9.2 ccw(c-36.5,9.2)
  pour cut-out: 33.9,36.9 33.9,30.1
  region net NetD208_A: -32.275,44.875 -31.275,44.875 -30.9,45.25 -30.9,46.35 -31.075,46.525 -31.925,46.525 -32.1,46.35 -32.1,45.45 -32.275,45.275
  pour cut-out: -13.964,0.5 -13.963,0.5 -13.4,0.5 -13.4,0.025 -13.425,0 -13.9,0
  text "Sku® rAAS" at 13.9,11.969 h4
  text "r1.2" at 19.475,10.494 h2
Bottom Layer:
  rectangle net GND: 23.8,39.9 28.1,42.1
  rectangle net 5V: 22.65,30.35 27.725,31.95
  rectangle net Vin: 18.875,66.05 24.125,68.875
  pour cut-out: -36.5,8.7 -31.3,8.7 cw(c-31.3,5.2) -27.8,5.2 -27.8,0 ccw(c-27.3,0) -27.3,-0.5 -13.1,-0.5 -13.1,0.5 -26.8,0.5 -26.8,5.2 ccw(c-31.301,5.199) -31.298,9.7 -36,9.7 -36,63.3 -31.3,63.3 ccw(c-31.301,67.801) -26.8,67.798 -26.8,72.5 26.8,72.5 26.8,67.8 ccw(c31.301,67.801) 31.298,63.3 36,63.3 36,9.7 31.3,9.7 ccw(c31.301,5.199) 26.8,5.202 26.8,0.5 -13.15,0.5 -13.15,-0.5 27.3,-0.5 ccw(c27.3,0) 27.8,0 27.8,5.2 cw(c31.3,5.2) 31.3,8.7 36.5,8.7 ccw(c36.5,9.2) 37,9.2 37,63.8 ccw(c36.5,63.8) 36.5,64.3 31.3,64.3 cw(c31.3,67.8) 27.8,67.8 27.8,73 ccw(c27.3,73) 27.3,73.5 -27.3,73.5 ccw(c-27.3,73) -27.8,73 -27.8,67.8 cw(c-31.3,67.8) -31.3,64.3 -36.5,64.3 ccw(c-36.5,63.8) -37,63.8 -37,9.2 ccw(c-36.5,9.2)
  pour cut-out: 33.9,36.9 33.9,30.1 27.1,30.1 27.1,36.9
  pour cut-out: -4.818,69.5 -4.818,67.218 -3,65.4 -1.35,65.4 3.075,60.975 6.9,60.975 7.7,60.175 7.7,52.421 5.225,49.946 5.225,45 6.575,43.65 16.8,43.65 18.9,45.75 18.9,64.284 17.892,65.292 17.892,68.917 18.725,69.75 19.4,69.75 19.4,72.5 -4.825,72.5
  region net NetD208_A: -31.925,45.325 -32.1,45.5 -32.1,46.2 -32.5,46.6 -32.5,47.25 -31.8,47.25 -30.9,46.35 -30.9,45.5 -31.075,45.325
  region net NetC306_2: 27.575,35.125 27.65,35.05 33.35,35.05 33.35,38.4 28.65,38.4 28.225,38.825 27.575,38.825
  region net Vin: 28.005,43.5 30.85,43.5 30.85,45.175 30.1,45.925 30.1,47.725 27.575,47.725 27.575,43.93
  pour cut-out: 11.7,36.275
  text "Sku® rAAS" at 23.025,5.612 h4
  text "r1.2" at 17.35,4.15 h2

## Silkscreen, mask and mechanical layers (free items; w line width, h text height)
Top Overlay:
  lines w0.254: 11.503,13.646 cw(c12.653,12.571) 13.728,13.721 ; 11.832,13.215 cw(c12.653,11.871) 13.459,13.223 ; 12.135,12.78 cw(c12.647,11.292) 13.145,12.785 ; 12.825,12.169 ccw(c12.734,12.146) 12.828,12.146
  text "RxD / TxD" at -36,32.475 h1
  text "Sku® rAAS" at 13.903,11.971 h4
  text "r1.2" at 19.475,10.494 h2
Bottom Overlay:
  lines w0.15: -29.2,60 -26.4,60 -26.4,61.4 ; -26.4,61.4 -29.2,61.4 -29.2,57.3 -26.4,57.3 -26.4,61.4 ; -21.3,62.6 -21.3,57.3 -17.9,57.3 -17.9,62.6 ; -21.3,62.6 -17.9,62.6 ; -21.3,62.6 -21.3,64 -17.9,64 -17.9,62.6
  lines w0.2: -35.8,57.038 -35.975,57.038 -35.975,60.1 -35.8,60.1 ; -30.2,56.9 -30.025,56.9 -30.025,59.962 -30.2,59.962
  lines w0.254: 29.764,16.987 cw(c30.914,15.912) 31.989,17.062 ; 30.093,16.555 cw(c30.914,15.212) 31.721,16.563 ; 30.399,16.123 cw(c30.912,14.634) 31.409,16.128 ; 31.087,15.509 ccw(c30.996,15.487) 31.089,15.487
  text "3V3" at -18.9,64.3 h0.8
  text "5V" at -26.7,64 h0.8
  text "X" at -26.7,62.9 h0.8
  text "SPI1" at -18.3,62.9 h0.8
  text "AC/DC 24V" at -9.7,62.6 h0.9
  text "X" at -26.7,61.7 h0.8
  text "MOSI" at -18.367,61.5 h0.8
  text "USB / PWR" at -29,61.2 h0.82
  text "USB" at -26.7,60.3 h0.8
  text "MISO" at -18.234,60.2 h0.8
  text "D+" at -26.7,58.9 h0.8
  text "CLK" at -18.9,58.9 h0.8
  text "D-" at -26.7,57.6 h0.8
  text "CS" at -19.7,57.6 h0.8
  text "GND" at -26.7,56.2 h0.8
  text "GND" at -18.9,56.2 h0.8
  text "5V" at 7.1,19.1 h0.82
  text "DATA" at 8.1,17.7 h0.82
  text "CLK" at 7.7,16.3 h0.82
  text "Sku® rAAS" at 29.225,15.312 h4
  text "GND" at 7.671,14.8 h0.82
  text "r1.2" at 23.55,13.85 h2
  text "GND" at -3.275,12.525 h0.82
  text "3V3" at -3.175,9.9 h0.82
  text "GND" at -19.5,9.75 h0.82
  text "3V3" at -19.575,8.425 h0.82
  text "UART2_1 TX" at 2.775,7.4 h0.82
  text "I2C0_SCL" at -19.525,7.05 h0.82
  text "I2C0_SDA" at -19.485,5.135 h0.82
  text "UART2_1 RX" at 2.45,4.775 h0.82
  text "LED" at 7.5,2.7 h0.82
Milling:
  lines w1: -37.5,8.7 -31.3,8.7 cw(c-31.3,5.2) -27.8,5.2 -27.8,-1 ; -37.5,64.3 -31.3,64.3 ccw(c-31.3,67.8) -27.8,67.8 -27.8,74 ; 27.8,-1 27.8,5.2 cw(c31.3,5.2) 31.3,8.7 37.5,8.7 ; 27.8,74 27.8,67.8 ccw(c31.3,67.8) 31.3,64.3 37.5,64.3
Top popis dokumentac:
  lines w0.254: -36.474,82.027 36.476,82.027 ; -36.474,87.152 36.501,87.152 ; 7.534,76.325 7.534,82.027 ; -36.474,76.325 36.451,76.325 36.451,94.375 -36.474,94.375 -36.474,76.325
  text ".Pcb_File_Name_No_Path" at -34.955,89.308 h3
  text "Variant .VariantName" at -35.03,83.558 h2.03
  text ".Printout_Name" at -34.83,78.258 h2.03
  text ".Print_Date" at 8.676,78.125 h2.03
Bottom popis dokumentace:
  lines w0.254: -36.474,82.027 36.476,82.027 ; -36.474,87.152 36.501,87.152 ; -7.506,76.15 -7.506,81.852 ; -36.474,76.15 36.501,76.15 36.501,94.2 -36.474,94.2 -36.474,76.15
  text ".Pcb_File_Name_No_Path" at 34.982,89.133 h3
  text "Variant .VariantName" at 35.057,83.383 h2.03
  text ".Printout_Name" at 34.857,78.083 h2.03
  text ".Print_Date" at -8.649,77.95 h2.03
Outline:
  lines w0.2: -36.5,9.2 -31.3,9.2 cw(c-31.3,5.2) -27.3,5.2 -27.3,0 27.3,0 27.3,5.2 cw(c31.3,5.2) 31.3,9.2 36.5,9.2 36.5,63.8 31.3,63.8 cw(c31.3,67.8) 27.3,67.8 27.3,73 -27.3,73 -27.3,67.8 cw(c-31.3,67.8) -31.3,63.8 -36.5,63.8 -36.5,9.2
Mechanical 15:
  circle w0.006: c0,36.5 r0.003
  lines w0.013: -18.25,18.25 18.25,54.75 ; -18.25,18.25 18.25,18.25 ; -18.25,18.25 -18.25,54.75 ; -18.25,54.75 18.25,18.25 ; -18.25,54.75 18.25,54.75 ; 18.25,18.25 18.25,54.75
Mechanical 17:
  lines w0.254: -25.965,34.075 -25.965,39.075 -25.465,39.075 -19.965,39.075 -19.965,34.075 -25.965,34.075 ; -17.965,18.5 -17.965,54.5 17.975,54.5 18.035,54.5 18.035,18.5 -17.965,18.5 ; -2.965,11.075 3.035,11.075 3.035,16.075 -2.465,16.075 -2.965,16.075 -2.965,11.075 ; -2.965,57.075 -2.965,62.075 -2.465,62.075 3.035,62.075 3.035,57.075 -2.965,57.075 ; 20.035,34.075 20.035,39.075 20.535,39.075 26.035,39.075 26.035,34.075 20.035,34.075